# Altium PCB 28_28_backup.PcbDoc
Units mm, origin at the board's own origin, x right, y up, seen from the top; angles counter-clockwise.
Board outline 28 x 28 mm, 4 copper layers (Top Layer, Layer 1, Layer 2, Bottom Layer), stack 0.603 mm thick; 68 components, 58 nets, 243 pads, 78 vias.
Unrouted connection lines stored in the file: 3.
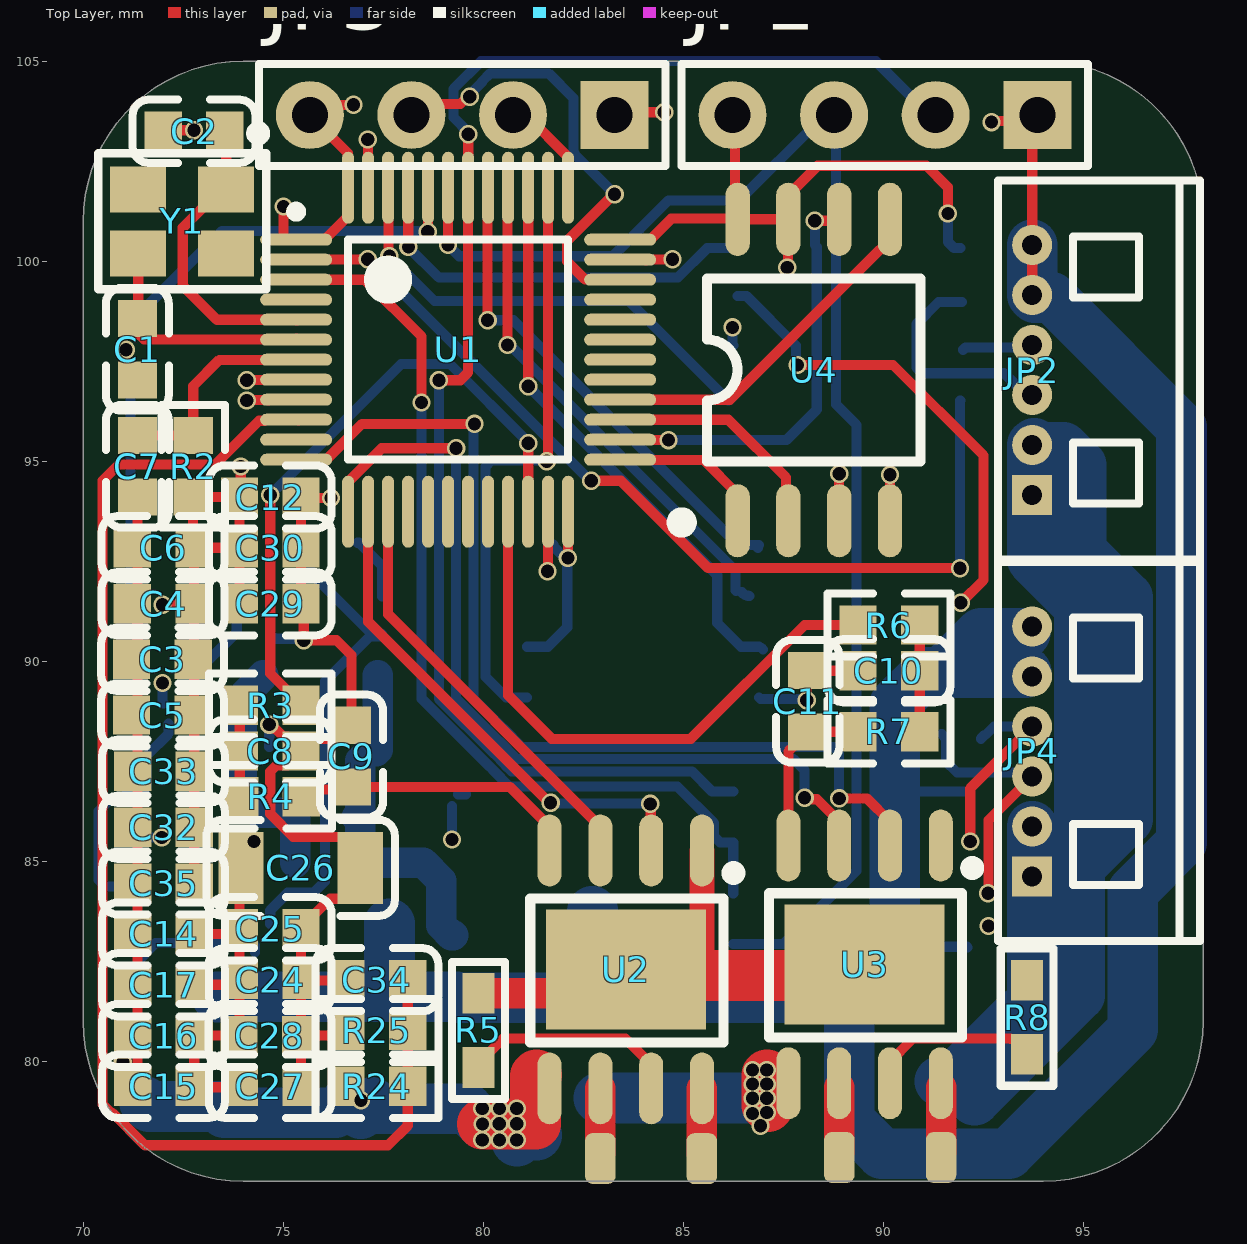
[diagram p0: Top Layer view]
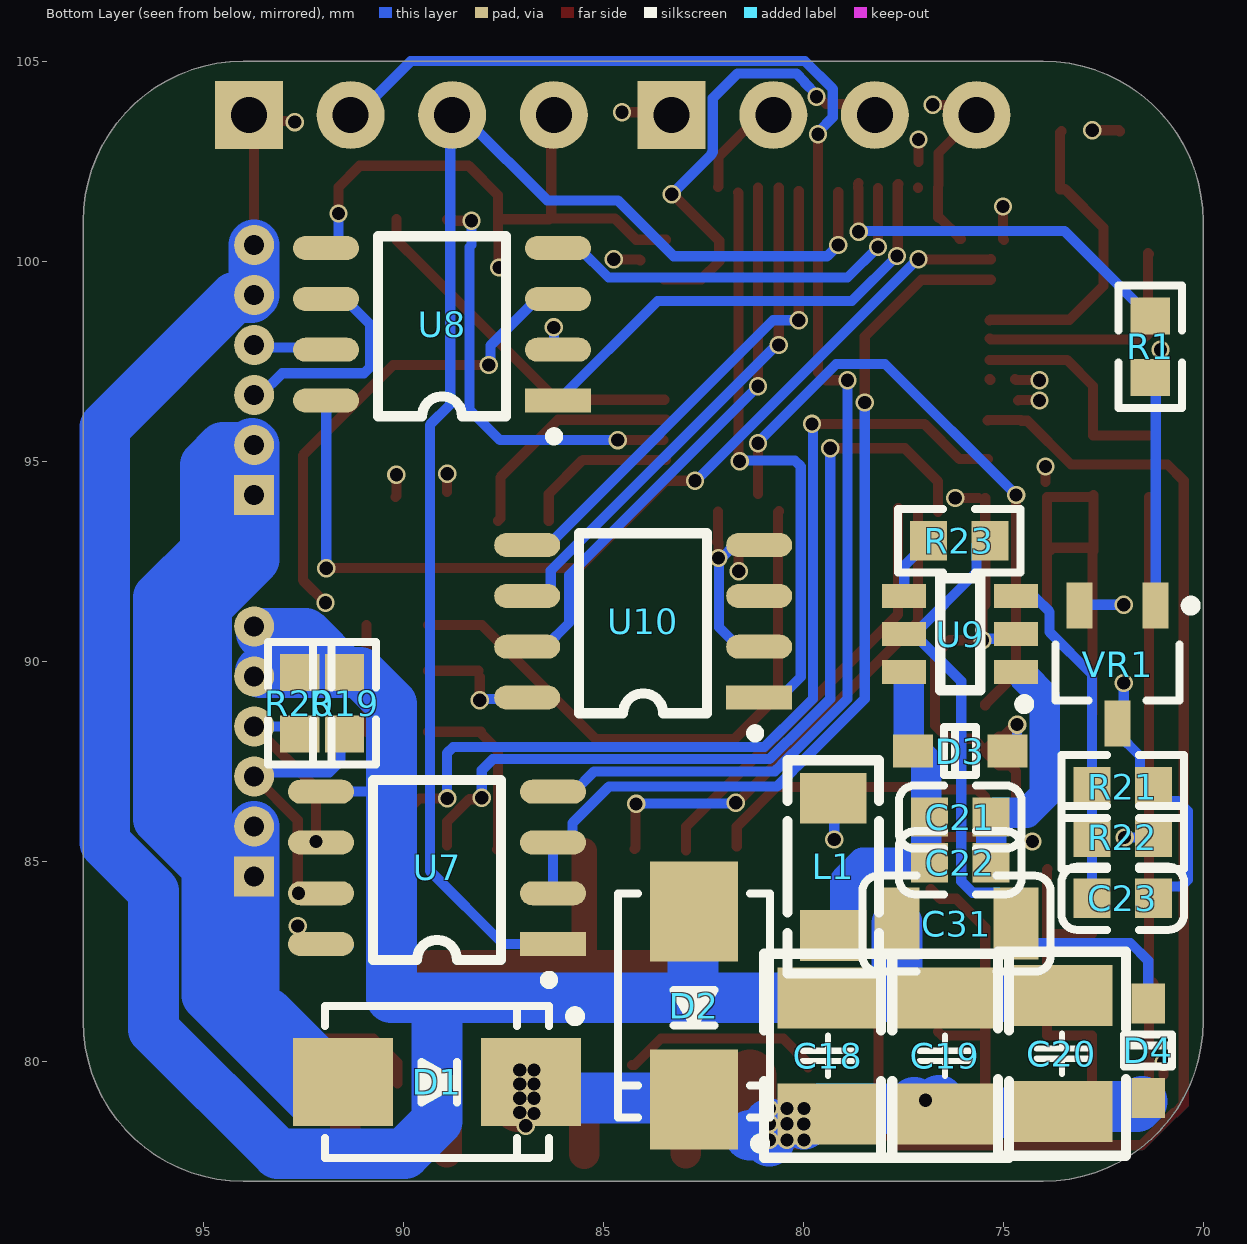
[diagram p1: Bottom Layer view, seen from below]
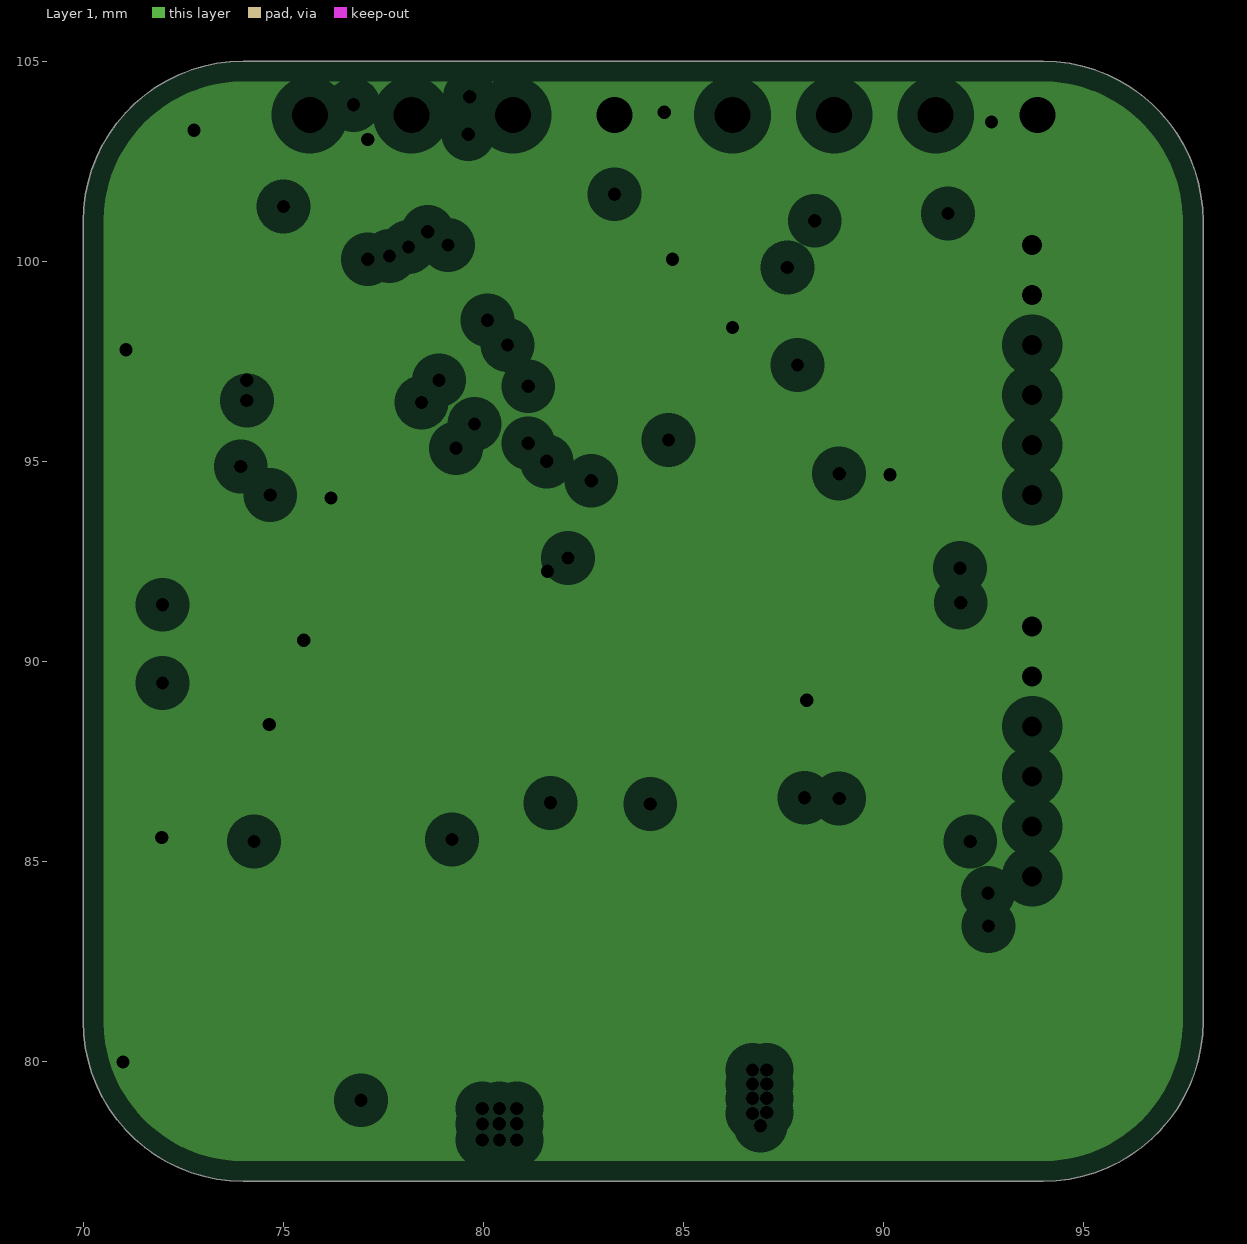
[diagram p2: Layer 1, clearances drawn from the general rule]
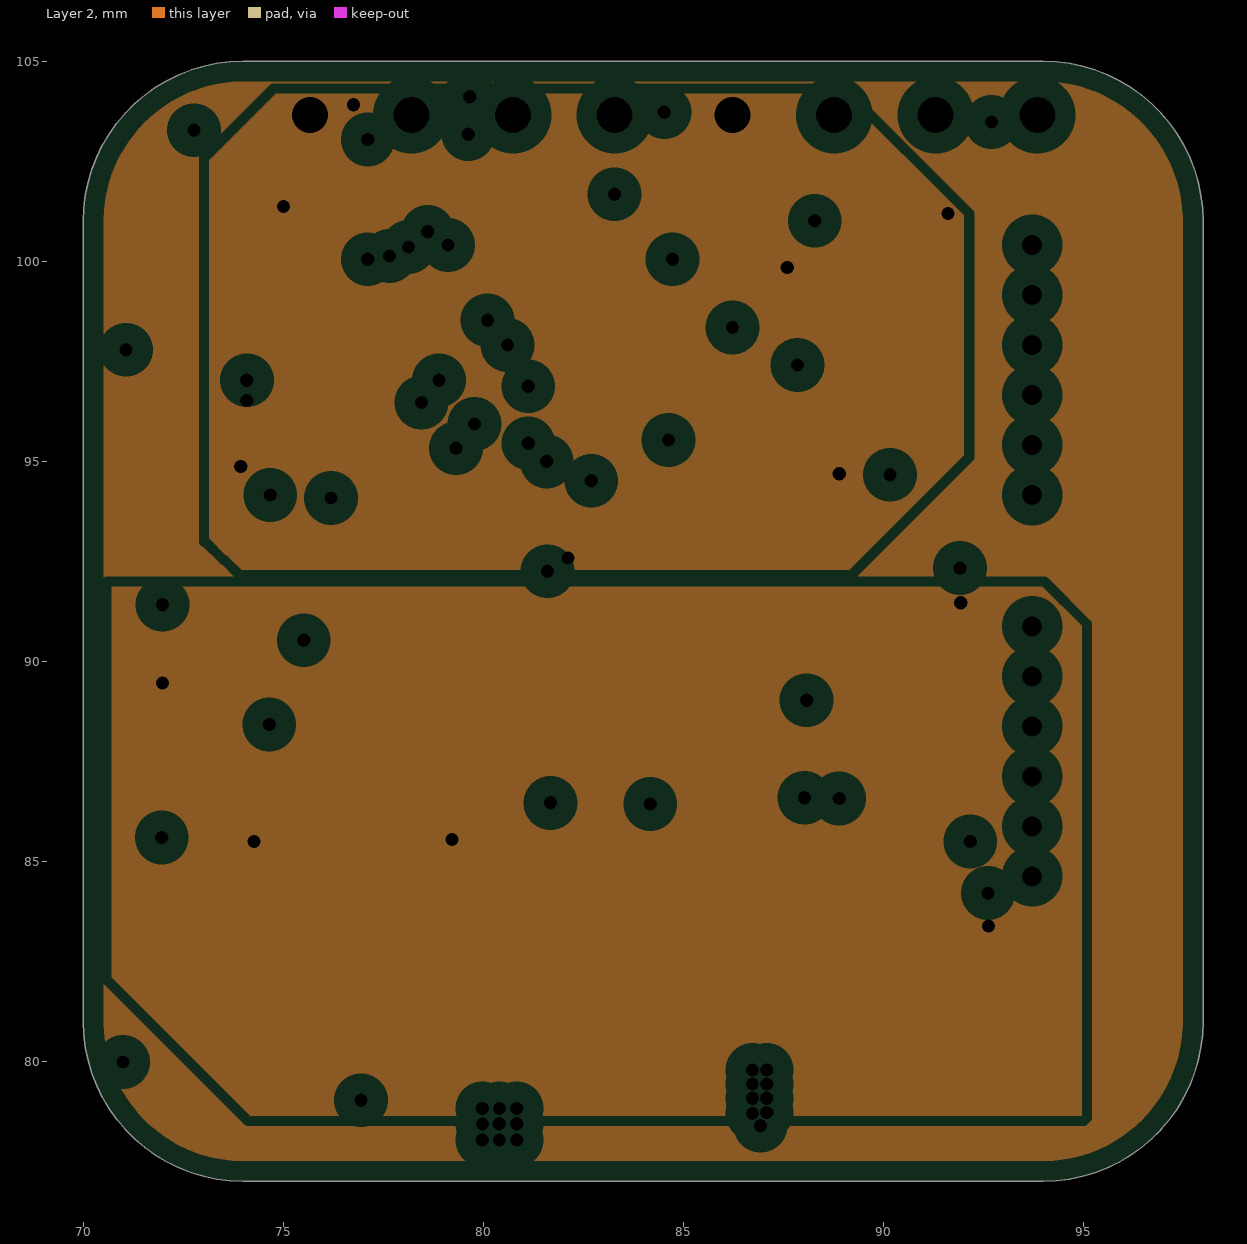
[diagram p3: Layer 2, clearances drawn from the general rule]

## Layer stack, top to bottom
Top Solder: solder mask 0.0102, Solder Resist, Dk 3.5
Top Layer: signal copper 0.0356
Dielectric 2: prepreg 0.0711, PP-006, Dk 4.1
Layer 1: plane copper 0.035, net GND
Dielectric 1: dielectric 0.32, FR-4, Dk 4.8
Layer 2: plane copper 0.035, net (Multiple Nets)
Dielectric 3: prepreg 0.0711, PP-006, Dk 4.1
Bottom Layer: signal copper 0.0356
Bottom Solder: solder mask 0.0102, Solder Resist, Dk 3.5

## Board outline
70,81 70,101 cw(c74,101) 74,105 94,105 cw(c94,101) 98,101 98,81 cw(c94,81) 94,77 74,77 cw(c74,81)

## Design rules (kind name [scope] priority, off if disabled: settings)
Clearance [All] p1: gap=0.051 ignorepadtopadclearanceinfootprint=TRUE
PlaneClearance [All] p1: clearance=0.508
PlaneConnect [All] p1: planeconnectstyle=Relief reliefexpansion=0.508 reliefentries=4 reliefconductorwidth=0.254 reliefairgap=0.254
PolygonConnect [All] p1: connectstyle=Relief reliefconductorwidth=0.254 reliefentries=4 polygonreliefangle="90 Angle" airgapwidth=0.254
RoutingVias [All] p1: holewidth=0.711 width=1.27 viastyle="Through Hole" minholewidth=0.127 minwidth=0.254 maxholewidth=0.711 maxwidth=1.27
SolderMaskExpansion [All] p1: expansion=0.102 istentingtop=FALSE
Width [All] p1: maxlimit=1.27 minlimit=0.254 preferedwidth=0.762 bottomlayer_prefwidth=0.254 minimp=50.000000 maximp=50.000000 favimp=50.000000
28 further rules are at their usual default settings.

## Classes and differential pairs
component class Sensor: C32 C33 C34 C35 R24 R25 U4 U10
component class Power: C18 C19 C20 C21 C22 C23 C24 C25 C26 C27 C28 C29 C30 C31 D1 D3 D4 L1 R21 R22 R23 U9 VR1
component class Port: C12 C14 C15 C16 C17 JP1 JP2 JP3 JP4 R19 R20 U7 U8
component class MCU: C1 C2 C3 C4 C5 C6 C7 R2 U1 Y1
component class Drive: C8 C9 C10 C11 R3 R4 R5 R6 R7 R8 U2 U3

## Components (designator, comment, footprint, x,y, rotation, side; value= is the part's Value field where it differs from the comment)
C1 "20pF (200) 5% 50V" 0603_C 71.355,97.799 r270 top
C2 "20pF (200) 5% 50V" 0603_C 72.771,103.251 r180 top
C3 "100nF (104) 10% 50V" 0603_C 71.982,90.052 r0 top
C4 "100nF (104) 10% 50V" 0603_C 71.998,91.44 r0 top
C5 "100nF (104) 10% 50V" 0603_C 71.982,88.655 r0 top
C6 "100nF (104) 10% 50V" 0603_C 71.998,92.837 r0 top
C7 "20pF (200) 5% 50V" 0603_C 71.355,94.878 r270 top
C8 "100nF (104) 10% 50V" 0603_C 74.676,87.757 r180 top
C9 "100nF (104) 10% 50V" 0603_C 76.708,87.63 r270 top
C10 "100nF (104) 10% 50V" 0603_C 90.145,89.764 r0 top
C11 "100nF (104) 10% 50V" 0603_C 88.113,89.002 r270 top
C12 "10uF (106) 10% 10V" 0603_C 74.676,94.107 r180 top
C14 "10uF (106) 10% 10V" 0603_C 72.009,83.185 r180 top
C15 "100nF (104) 10% 50V" 0603_C 72.009,79.375 r180 top
C16 "10uF (106) 10% 10V" 0603_C 72.009,80.645 r180 top
C17 "100nF (104) 10% 50V" 0603_C 72.009,81.915 r180 top
C18 "100uF (107) 20% 50V" "C 1210_L" 79.375,80.137 r270 bottom
C19 "100uF (107) 20% 50V" "C 1210_L" 76.454,80.137 r270 bottom
C20 "100uF (107) 20% 50V" "C 1210_L" 73.533,80.19 r270 bottom
C21 "100nF (104) 10% 50V" 0603_C 76.073,86.106 r0 bottom
C22 "100nF (104) 10% 50V" 0603_C 76.073,84.963 r0 bottom
C23 "100pF (101) 5% 50V" 0603_C 72.009,84.074 r180 bottom
C24 "100nF (104) 10% 50V" 0603_C 74.676,82.042 r180 top
C25 "10uF (106) 10% 10V" 0603_C 74.676,83.312 r180 top
C26 "47uF (106) 20% 10V" 1206_C 75.438,84.836 r180 top
C27 "100nF (104) 10% 50V" 0603_C 74.676,79.375 r180 top
C28 "10uF (106) 10% 10V" 0603_C 74.668,80.645 r180 top
C29 "100nF (104) 10% 50V" 0603_C 74.676,91.44 r180 top
C30 "10uF (106) 10% 10V" 0603_C 74.676,92.837 r180 top
C31 "4.7uF (475) 10% 50V" 1206_C 76.166,83.439 r0 bottom
C32 "100nF (104) 10% 50V" 0603_C 72.009,85.852 r0 top
C33 "100nF (104) 10% 50V" 0603_C 72.009,87.249 r0 top
C34 "100nF (104) 10% 50V" 0603_C 77.343,82.042 r180 top
C35 "100nF (104) 10% 50V" 0603_C 72.009,84.455 r180 top
D1 "SS54" SMB 89.154,79.477 r180 bottom
D2 "SMBJ28CA" SMB 82.728,81.395 r270 bottom
D3 "B5819WS" SOD-323 76.073,87.757 r180 bottom
D4 "B5819WS" SOD-323 71.374,80.264 r270 bottom
JP1 "HDR-1X4" HDR2.54-LI-4P 90.043,103.657 r180 top
JP2 "HDR-1X6" "MX 1.25-WI-6P" 93.726,97.282 r90 top
JP3 "HDR-1X4" HDR2.54-LI-4P 79.477,103.657 r180 top
JP4 "HDR-1X6" "MX 1.25-WI-6P" 93.726,87.747 r90 top
L1 "6.8UH 6R8" "L 1206" 79.248,84.861 r90 bottom
R1 "10KΩ (1002) ±1%" 0603_R#1 71.323,97.866 r270 bottom
R2 "10KΩ (1002) ±1%" 0603_R#2 72.752,94.878 r270 top
R3 "1KΩ (1001) ±1%" 0603_R#2 74.676,88.9 r180 top
R4 "1KΩ (1001) ±1%" 0603_R#2 74.684,86.614 r0 top
R5 "0.1" R0603_M 79.883,80.772 r90 top
R6 "1KΩ (1001) ±1%" 0603_R#2 90.145,90.907 r0 top
R7 "1KΩ (1001) ±1%" 0603_R#2 90.145,88.24 r180 top
R8 "0.1" R0603_M 93.599,81.102 r90 top
R19 "12KΩ (1202) ±1%" 0603_R#2 91.465,88.951 r90 bottom
R20 "12KΩ (1202) ±1%" 0603_R#2 92.583,88.951 r90 bottom
R21 "10KΩ (1002) ±1%" 0603_R#2 72.009,86.868 r180 bottom
R22 "1.91KΩ (1901) ±1%" 0603_R#2 72.009,85.598 r0 bottom
R23 "1MΩ (1004) ±1%" 0603_R#2 76.098,93.015 r0 bottom
R24 "10KΩ (1002) ±1%" 0603_R#2 77.343,79.375 r0 top
R25 "1KΩ (1001) ±1%" 0603_R#2 77.343,80.772 r180 top
U1 "STM32F103CBT6" LQFP48_N 79.375,97.79 r0 top
U2 "TB67H450" SOIC-8_EP_150MIL#1 83.566,82.296 r270 top
U3 "TB67H450" SOIC-8_EP_150MIL#2 89.535,82.423 r270 top
U4 "W25Q128JVSIQ" SOIC-8W 88.265,97.282 r90 top
U7 "SN75176BDR" SOIC_8 89.154,84.836 r90 bottom
U8 "CAN/TJA1051T/3" SOIC_8 89.027,98.425 r90 bottom
U9 "ME3116AM6G" SOT-23-6 76.073,90.678 r180 bottom
U10 "MT6816" SOIC_8 84,91 r90 bottom locked
VR1 "ME6206A33M3G" SOT-23-3L 72.136,89.916 r90 bottom
Y1 "12MHZ 20PF 10PPM" SMD-3225_4P 72.476,101 r180 top

## Footprints (in the part's own frame and the unit in brackets; to place one, negate y for a bottom-side part, rotate by r counter-clockwise, add the part's x,y. Pads: shape width x height; smd on the part's side, far side on the other; paste and mask are expansions set on the pad)
0603_C [mm]
  rect 0.93x0.98 smd: 1(-0.77,0) 2(0.77,0)
  silkscreen extent -1.53,-0.79 1.54,0.79, body extent -0.8,-0.4 0.8,0.4, height 0.3
0603_R#1 [mm]
  rect 0.93x0.98 smd: 2(0.77,0) ""(-0.77,0)
  silkscreen extent -1.53,-0.79 1.54,0.79, body extent -0.85,-0.4 0.85,0.4, height 0.56
0603_R#2 [mm]
  rect 0.93x0.98 smd: 1(-0.77,0) 2(0.77,0)
  silkscreen extent -1.53,-0.79 1.54,0.79, body extent -0.85,-0.4 0.85,0.4, height 0.56
1206_C [mm]
  rect 1.13x1.8 smd: 1(-1.49,0) 2(1.49,0)
  silkscreen extent -2.36,-1.2 2.35,1.2, body extent -1.6,-0.81 1.6,0.79, height 1
"C 1210_L" [mm]
  rect 1.524x2.54 smd: 1(-1.45,0) 2(1.45,0)
  silkscreen extent -2.55,-1.6 2.55,1.6, body extent -1.6,-1.29 1.6,1.29, height 1.54
HDR2.54-LI-4P [mm] "排针，4脚      [ PCB学习群514746572 ]"
  rect 1.7x1.7 hole 0.9: 1(-3.81,0)
  round 1.7 hole 0.9: 2(-1.27,0) 3(1.27,0) 4(3.81,0)
  silkscreen extent -5.08,-1.27 5.08,1.27, body extent -5.08,-1.27 5.08,1.27, height 2.54
"L 1206" [mil]
  rect 50x65 smd: 1(-67.5,0) 2(67.5,0)
  silkscreen extent -105,-45 105,45, body extent -63,-31 63,31, height 35
LQFP48_N [mm]
  oval 1.8x0.3 smd: 1(-4.05,2.75) 2(-4.05,2.25) 3(-4.05,1.75) 4(-4.05,1.25) 5(-4.05,0.75) 6(-4.05,0.25) 7(-4.05,-0.25) 8(-4.05,-0.75) 9(-4.05,-1.25) 10(-4.05,-1.75) 11(-4.05,-2.25) 12(-4.05,-2.75) 25(4.05,-2.75) 26(4.05,-2.25) 27(4.05,-1.75) 28(4.05,-1.25) 29(4.05,-0.75) 30(4.05,-0.25) 31(4.05,0.25) 32(4.05,0.75) 33(4.05,1.25) 34(4.05,1.75) 35(4.05,2.25) 36(4.05,2.75)
  oval 0.3x1.8 smd: 13(-2.75,-4.05) 14(-2.25,-4.05) 15(-1.75,-4.05) 16(-1.25,-4.05) 17(-0.75,-4.05) 18(-0.25,-4.05) 19(0.25,-4.05) 20(0.75,-4.05) 21(1.25,-4.05) 22(1.75,-4.05) 23(2.25,-4.05) 24(2.75,-4.05) 37(2.75,4.05) 38(2.25,4.05) 39(1.75,4.05) 40(1.25,4.05) 41(0.75,4.05) 42(0.25,4.05) 43(-0.25,4.05) 44(-0.75,4.05) 45(-1.25,4.05) 46(-1.75,4.05) 47(-2.25,4.05) 48(-2.75,4.05)
  silkscreen extent -4.17,-2.75 2.75,3.57, body extent -3.5,-3.5 3.5,3.5, height 1.6
"MX 1.25-WI-6P" [mm] "长：9.25mm，宽：1.8mm，高：3.3mm      [ PCB学习群514746572 ]"
  rect 1x1 hole 0.5: 1(-3.125,0)
  round 1 hole 0.5: 2(-1.875,0) 3(-0.625,0) 4(0.625,0) 5(1.875,0) 6(3.125,0)
  silkscreen extent -4.74,-4.19 4.74,0.85, body extent -4.62,-4.05 4.63,0.85, height 3.35
R0603_M [mil] "1/10W贴片电阻      [ PCB学习群514746572 ]"
  rect 40x31.5 smd: 1(-36.5,0) 2(36.5,0)
  silkscreen extent -68,-26 68,26, body extent -31,-16 32,16, height 16
SMB [mm]
  rect 2.5x2.2 smd: 1(-2.35,0) 2(2.35,0)
  silkscreen extent -2.8,-1.9 3.57,1.9, body extent -2.63,-1.8 2.67,1.8, height 2.35
SMD-3225_4P [mm]
  rect 1.4x1.15 smd: 1(-1.1,-0.8) 2(1.1,-0.8) 3(1.1,0.8) 4(-1.1,0.8)
  silkscreen extent -2.1,-2.35 2.1,1.7, body extent -1.6,-1.25 1.6,1.25, height 0.61
SOD-323 [mm]
  rect 1x0.83 smd: 1(1.18,0) 2(-1.18,0)
  silkscreen extent -0.4,-0.6 0.4,0.6, body extent -1.35,-0.63 1.35,0.63, height 1.1
SOIC-8_EP_150MIL#1 [mm]
  oval 1.798x0.6 smd: 1(-2.972,1.905) 2(-2.972,0.635) 3(-2.972,-0.635) 4(-2.972,-1.905) 5(2.972,-1.905) 6(2.972,-0.635) 7(2.972,0.635) ""(2.972,1.905)
  rect 3x4 smd: 9(0,0)
  silkscreen extent -2.56,-2.39 1.83,2.84
SOIC-8_EP_150MIL#2 [mm]
  oval 1.798x0.6 smd: 1(-2.972,1.905) 2(-2.972,0.635) 3(-2.972,-0.635) 4(-2.972,-1.905) 5(2.972,-1.905) 6(2.972,-0.635) 7(2.972,0.635) 8(2.972,1.905)
  rect 3x4 smd: 9(0,0)
  silkscreen extent -2.56,-2.39 1.83,2.84
SOIC-8W [mil] "25Q128 SPI_FLASH  SOIC8      [ PCB学习群514746572 ]"
  oval 72x24 smd: 1(-148.35,75) 2(-148.35,25) 3(-148.35,-25) 4(-148.35,-75) 5(148.35,-75) 6(148.35,-25) 7(148.35,25) 8(148.35,75)
  silkscreen extent -155,-105 90,135, body extent -155,-104 155,104, height 75
SOIC_8 [mm]
  rect 0.6x1.65 smd: 1(-1.905,-2.9)
  oval 0.6x1.65 smd: 2(-0.635,-2.9) 3(0.635,-2.9) 4(1.905,-2.9) 5(1.905,2.9) 6(0.635,2.9) 7(-0.635,2.9) 8(-1.905,2.9)
  silkscreen extent -2.9,-2.9 2.2,1.6, body extent -2.5,-3.01 2.5,3.01, height 1.75
SOT-23-3L [mm]
  rect 1.15x0.65 smd: 1(1.475,-0.95) 2(1.475,0.95) 3(-1.475,0)
  silkscreen extent -0.9,-1.95 1.6,1.55, body extent -0.9,-1.55 0.9,1.55, height 1.25
SOT-23-6 [mm]
  rect 1.1x0.6 smd: 1(1.4,-0.95) 2(1.4,0) 3(1.4,0.95) 4(-1.4,0.95) 5(-1.4,0) 6(-1.4,-0.95)
  silkscreen extent -0.5,-1.87 1.72,1.4
